# Altium PCB OCP-TimeCardMini-TI_V1.PcbDoc (part 9 of 11) (continued)
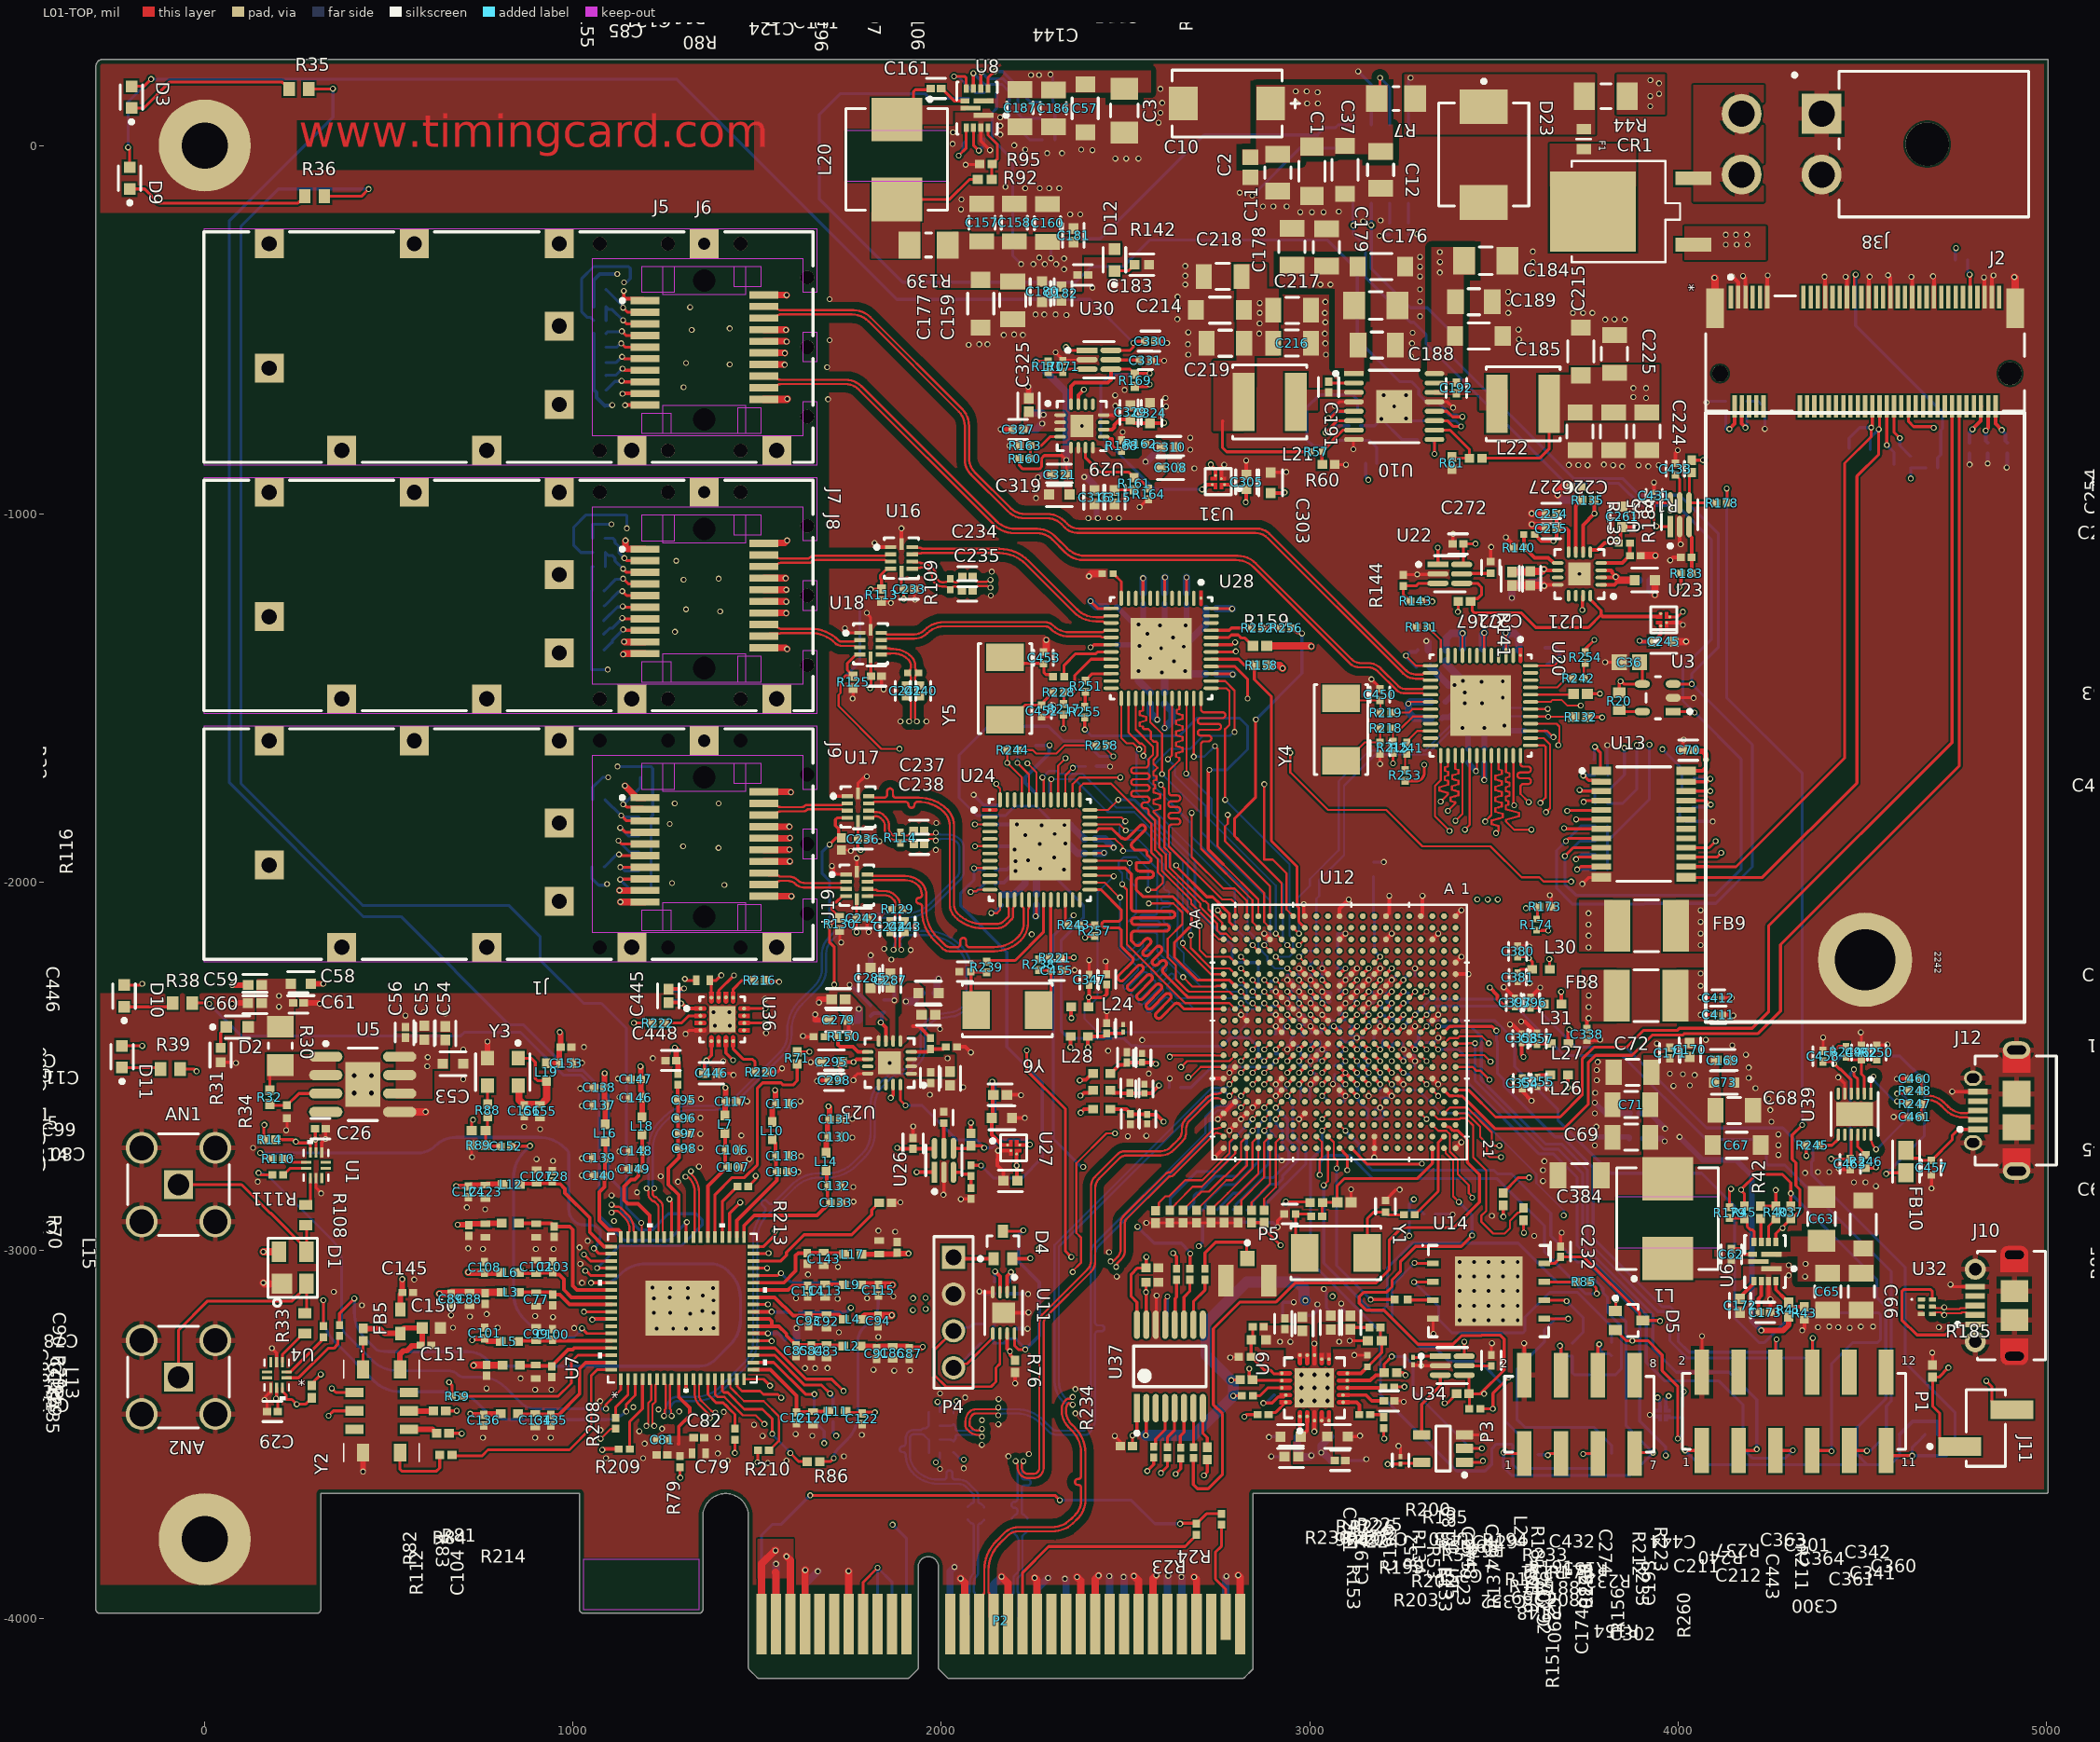
[diagram p0: L01-TOP view]
## Nets (pads, with @x,y where several pads share a name; then routed paths per layer and width w, separated by ;. In a path a pad name is that pad's centre, name@x,y a point inside that pad or via, vN(x,y) a via of type N, cw(c..) or ccw(c..) an arc to the next point about the centre after c; other vN are vias at no path point) (continued)
  L01-TOP w5: U24.26@2403.56,-2000.83 ccw(c2404.9,-1999.49) 2404.9,-2001.39 2443.18,-2001.39 2483.23,-2041.43 v1(2485.32,-2041.43)
  L01-TOP w5.8: v2(2813.5,-2328.57) U12.W9@2829.25,-2344.32
  L10-BOT w5: v1(2485.32,-2041.43) 2485.32,-2183.99 2503.46,-2202.13 2505.23,-2203.9 2531.67,-2230.33 cw(c2526.37,-2235.64) 2531.67,-2240.94 2495.31,-2277.3 ccw(c2500.61,-2282.6) 2495.31,-2287.91 ccw(c2500.61,-2282.6) 2505.91,-2287.91 2547.39,-2246.43 cw(c2552.7,-2251.73) 2558,-2246.43 cw(c2552.7,-2251.73) 2558,-2257.03 2516.52,-2298.51 ccw(c2521.82,-2303.82) 2516.52,-2309.12 ccw(c2521.82,-2303.82) 2527.13,-2309.12 2568.61,-2267.64 cw(c2573.91,-2272.94) 2579.21,-2267.64 cw(c2573.91,-2272.94) 2579.21,-2278.25 2537.73,-2319.73 ccw(c2543.04,-2325.03) 2537.73,-2330.33 ccw(c2543.04,-2325.03) 2548.34,-2330.33 2589.82,-2288.85 cw(c2595.12,-2294.16) 2600.43,-2288.85 cw(c2595.12,-2294.16) 2600.43,-2299.46 2558.95,-2340.94 ccw(c2564.25,-2346.24) 2558.95,-2351.55 ccw(c2564.25,-2346.24) 2569.55,-2351.55 2605.91,-2315.18 cw(c2611.22,-2320.49) 2616.52,-2315.18 2618.29,-2316.95 2629.91,-2328.57 2670.22,-2328.57 2687.85,-2346.2 2801.79,-2346.2 2805.32,-2342.67 2805.32,-2339.73 2813.5,-2331.55 v2(2813.5,-2328.57)
PRG1_RGMII1_TD3: U12.AA9 U24.25 | length 1276.3
  L01-TOP w8: U24.25@2403.56,-2020.52 2433.69,-2020.52 2488.37,-2075.19 2488.45,-2075.27 2488.45,-2097.19 cw(c2479.45,-2097.19) 2479.45,-2106.19 2444.49,-2106.19 ccw(c2444.49,-2115.19) 2444.49,-2124.2 2479.45,-2124.2 cw(c2479.45,-2133.2) 2488.45,-2133.2 2488.45,-2173.92 2488.45,-2174.14 2493.16,-2178.85 2518.34,-2204.03 cw(c2511.98,-2210.39) 2518.34,-2216.76 2482.01,-2253.09 ccw(c2488.38,-2259.45) 2482.01,-2265.82 ccw(c2488.38,-2259.45) 2494.74,-2265.82 2532.95,-2227.61 cw(c2539.31,-2233.98) 2545.68,-2227.61 cw(c2539.31,-2233.98) 2545.68,-2240.34 2507.47,-2278.55 ccw(c2513.84,-2284.91) 2507.47,-2291.28 ccw(c2513.84,-2284.91) 2520.2,-2291.28 2557.62,-2253.86 cw(c2563.98,-2260.23) 2570.35,-2253.86 cw(c2563.98,-2260.23) 2570.35,-2266.59 2532.93,-2304.01 ccw(c2539.3,-2310.37) 2532.93,-2316.74 ccw(c2539.3,-2310.37) 2545.66,-2316.74 2583.08,-2279.32 cw(c2589.44,-2285.69) 2595.81,-2279.32 cw(c2589.44,-2285.69) 2595.81,-2292.05 2558.39,-2329.47 ccw(c2564.76,-2335.83) 2558.39,-2342.2 ccw(c2564.76,-2335.83) 2571.12,-2342.2 2608.54,-2304.78 cw(c2614.9,-2311.15) 2621.27,-2304.78 cw(c2614.9,-2311.15) 2621.27,-2317.51 2583.85,-2354.93 ccw(c2590.22,-2361.29) 2583.85,-2367.66 ccw(c2590.22,-2361.29) 2596.58,-2367.66 2632.91,-2331.33 cw(c2639.28,-2337.69) 2645.64,-2331.33 2648.47,-2334.16 2658.64,-2344.32 U12.AA9@2766.26,-2344.32
PRG1_RGMII1_TX_CTL: U12.Y9 U24.37 | length 1254.4
  L01-TOP w5.8: U24.37@2375.98,-1776.4 2375.98,-1741.47 2385.17,-1732.28 2460.96,-1732.28 2569.83,-1841.14 2569.83,-1919.46 2587.8,-1937.43 2587.8,-1973.67 2601.27,-1987.14 2601.27,-2001.89 2582.48,-2020.68 v1(2561.52,-2020.68) ; v1(2491.13,-2005.44) 2491.13,-2007.71 2503.85,-2020.43 2503.85,-2168.95 2582.82,-2247.92 2582.82,-2249.5 2661.89,-2328.57 2782.01,-2328.57 U12.Y9@2797.75,-2344.32
  L10-BOT w5.8: v1(2491.13,-2005.44) 2491.13,-1975.78 2481.52,-1966.17 2481.52,-1945.58 2494.93,-1932.17 2529.48,-1932.17 2561.52,-1964.22 v1(2561.52,-2020.68)
PRG1_RGMII1_TXC: U12.V9 U24.29 | length 1139.2
  L01-TOP w5: U24.29@2403.56,-1941.78 2501.99,-1941.78 2508.29,-1948.07 v1(2511.26,-1948.07)
  L01-TOP w5.8: v2(2845,-2328.57) U12.V9@2860.75,-2344.32
  L10-BOT w5: v1(2511.26,-1948.07) 2511.26,-1966.07 2503.85,-1973.48 2503.85,-1988.51 2529.48,-2014.13 2529.48,-2083.91 2503.85,-2109.54 2503.85,-2159.06 2503.85,-2178.14 2508.15,-2182.43 ccw(c2513.45,-2177.13) 2518.75,-2182.43 2535.36,-2165.82 cw(c2540.66,-2171.13) 2545.96,-2165.82 cw(c2540.66,-2171.13) 2545.96,-2176.43 2524.24,-2198.15 ccw(c2529.54,-2203.46) 2524.24,-2208.76 ccw(c2529.54,-2203.46) 2534.85,-2208.76 2556.57,-2187.04 cw(c2561.87,-2192.34) 2567.18,-2187.04 cw(c2561.87,-2192.34) 2567.18,-2197.64 2546.5,-2218.32 ccw(c2551.8,-2223.62) 2546.5,-2228.93 ccw(c2551.8,-2223.62) 2557.11,-2228.93 2577.78,-2208.25 cw(c2583.09,-2213.55) 2588.39,-2208.25 cw(c2583.09,-2213.55) 2588.39,-2218.86 2571.78,-2235.46 ccw(c2577.09,-2240.77) 2571.78,-2246.07 ccw(c2577.09,-2240.77) 2582.39,-2246.07 2599,-2229.46 cw(c2604.3,-2234.77) 2609.6,-2229.46 cw(c2604.3,-2234.77) 2609.6,-2240.07 2593,-2256.68 ccw(c2598.3,-2261.98) 2593,-2267.28 ccw(c2598.3,-2261.98) 2603.6,-2267.28 2620.21,-2250.68 cw(c2625.51,-2255.98) 2630.82,-2250.68 cw(c2625.51,-2255.98) 2630.82,-2261.28 2614.21,-2277.89 ccw(c2619.51,-2283.19) 2614.21,-2288.5 2624.82,-2299.1 2626.59,-2300.87 2641.04,-2315.32 2785.18,-2315.32 2786.43,-2314.07 2819.51,-2314.07 2828,-2322.57 2828,-2324.85 2831.73,-2328.57 v2(2845,-2328.57)
PRSNT: P2.A1 R23.1 R24.1 | length 1562.1
  L01-TOP w8: v1(1643.92,-3664.93) 2308.21,-3664.93 v1(2321.58,-3678.3) ; v1(2648.5,-3741.99) 2649.91,-3740.58 2692.82,-3740.58 R23.1@2694.23,-3739.17 ; R23.1@2692.54,-3742.31 2692.54,-3741.33 2698.38,-3735.49 2699.36,-3735.49 2719.89,-3714.96 R24.1@2760.88,-3714.96
  L10-BOT w8: P2.A1@1511.81,-3994.77 1511.81,-3773.25 1540.86,-3744.2 1564.66,-3744.2 v1(1643.92,-3664.93) ; v1(2321.58,-3678.3) 2516.07,-3678.3 2579.76,-3741.99 v1(2648.5,-3741.99)
RESET_REQZ: U12.E18
RESETSTATZ: U12.F16
SCL: R124.1 U12.A18 U13.22 | length 1753.3
  L01-TOP w5.8: U12.A18@3396.18,-2627.79 3426.91,-2627.79 3463.12,-2663.99 3463.12,-2691.65 3481.45,-2709.98 3481.45,-2739.4 3488.66,-2746.61 v2(3519.42,-2746.61)
  L01-TOP w8: U13.22@4022.21,-1752.95 4087.45,-1752.95 v1(4087.7,-1752.7)
  L08-SIG w5.58: v2(3519.42,-2746.61) 3540.54,-2767.73 3553.02,-2767.73 3595.66,-2725.09 3673.9,-2725.09 3709.31,-2760.5 3781.87,-2760.5 3816.66,-2725.71 3816.66,-2413.02 3851.45,-2378.23 3851.45,-1988.95 v1(4087.7,-1752.7)
  L10-BOT w8: R124.1@4044.46,-1754 4045.11,-1753.35 4087.05,-1753.35 v1(4087.7,-1752.7)
SDA: R123.1 U12.B18 U13.23 | length 1779.2
  L01-TOP w5.8: U12.B18@3364.68,-2627.79 3380.43,-2612.04 3427.15,-2612.04 3494.5,-2679.39 3494.5,-2712.15 3497.9,-2715.55 v2(3515.18,-2715.55)
  L01-TOP w8: U13.23@4022.21,-1727.36 4079.83,-1727.36 v1(4087.71,-1719.49)
  L08-SIG w5.58: v2(3515.18,-2715.55) 3536.28,-2736.65 3560.9,-2736.65 3586.61,-2710.94 3682.15,-2710.94 3715.55,-2744.34 3774.26,-2744.34 3806.08,-2712.52 3806.08,-2405.5 3833.35,-2378.23 3833.35,-1973.84 v1(4087.71,-1719.49)
  L10-BOT w8: R123.1@4044.46,-1716.9 4045.75,-1718.2 4086.42,-1718.2 v1(4087.71,-1719.49)
SERDES0_REFCLK0_N: R207.2 R259.2 U12.W16 | length 1690.8
  L01-TOP w6: v1(2110.37,-3505.63) cw(c2110.37,-3499.09) 2105.75,-3503.71 ccw(c2098.89,-3510.57) 2098.89,-3500.87 2098.82,-3500.87 cw(c2098.82,-3468.08) 2075.63,-3491.26 2068.84,-3484.48 cw(c2076.9,-3476.42) 2065.5,-3476.42 2065.5,-3464.47 cw(c2102.85,-3464.47) 2076.44,-3438.06 2076.57,-3437.94 cw(c2092.63,-3454) 2092.63,-3431.28 2148.37,-3431.28 ccw(c2148.37,-3425.28) 2152.6,-3429.54 2153.49,-3428.65 ccw(c2151.37,-3426.53) v1(2154.37,-3426.53) ; v2(2813.5,-2580.54) U12.W16@2829.24,-2564.79
  L10-BOT w6: R259.2@1995.08,-3513.53 2021.12,-3513.53 cw(c2021.12,-3529.84) R207.2@2032.65,-3518.31 2035.47,-3515.49 ccw(c2028.46,-3508.49) 2038.37,-3508.49 2038.37,-3506.87 cw(c2044.37,-3506.87) 2040.13,-3502.63 cw(c2044.37,-3506.87) 2044.37,-3500.87 2098.89,-3500.87 cw(c2098.89,-3517.11) v1(2110.37,-3505.63) ; v1(2154.37,-3426.53) cw(c2154.37,-3433.06) 2158.98,-3428.43 2159.45,-3428.91 ccw(c2165.19,-3423.17) 2165.19,-3431.28 2204.55,-3431.28 cw(c2204.55,-3534.43) 2277.48,-3461.49 ; 2277.48,-3461.49 2299.21,-3483.22 ccw(c2314.08,-3468.35) 2314.08,-3489.38 2387.27,-3489.38 2401.13,-3475.52 2401.97,-3474.68 ccw(c2358.75,-3456) 2405.83,-3455.98 2405.83,-3455.92 2405.83,-3008.97 cw(c2445.3,-3008.97) 2417.38,-2981.07 ; 2417.39,-2981.06 2716.99,-2681.46 2716.99,-2636.9 2746.13,-2607.77 2776,-2607.77 2793.22,-2590.55 2803.5,-2590.55 v2(2813.5,-2580.54)
SERDES0_REFCLK0_P: R73.2 R206.2 U12.W17 | length 1692.9
  L01-TOP w6: v1(2110.37,-3484.63) ccw(c2110.37,-3491.16) 2105.75,-3486.54 cw(c2098.89,-3479.68) 2098.89,-3489.38 cw(c2098.89,-3467.9) 2083.7,-3483.09 2076.99,-3476.38 2076.99,-3464.57 cw(c2103.09,-3464.57) 2084.63,-3446.12 cw(c2092.71,-3454.19) 2092.71,-3442.77 2148.37,-3442.77 cw(c2148.37,-3448.77) v1@2152.6,-3444.52 ; v1@2152.61,-3444.53 2153.49,-3445.41 cw(c2151.37,-3447.53) v1(2154.37,-3447.53) ; v2(2813.5,-2612.04) U12.W17@2829.25,-2596.29
  L10-BOT w6: R73.2@1995.08,-3476.38 2021.95,-3476.38 ccw(c2021.95,-3460.65) R206.2@2033.06,-3471.77 2035.59,-3474.3 cw(c2028.29,-3481.59) 2038.61,-3481.59 2038.61,-3483.38 ccw(c2044.61,-3483.38) 2040.37,-3487.62 ccw(c2044.61,-3483.38) 2044.61,-3489.38 2098.89,-3489.38 ccw(c2098.89,-3473.15) v1(2110.37,-3484.63) ; v1(2154.37,-3447.53) ccw(c2154.37,-3440.99) 2158.98,-3445.62 2159.45,-3445.15 cw(c2165.19,-3450.89) 2165.19,-3442.77 2204.55,-3442.77 cw(c2204.55,-3534.43) 2269.38,-3469.64 2291.16,-3491.41 ccw(c2313.99,-3468.58) 2313.99,-3500.87 2392.02,-3500.87 ccw(c2392.02,-3489.56) 2400.02,-3497.56 2400.17,-3497.41 ccw(c2358.75,-3456) 2417.32,-3456 2417.32,-3246.44 2417.32,-3227.44 cw(c2425.32,-3227.44) 2425.32,-3219.44 2434.76,-3219.44 ccw(c2434.76,-3211.44) 2434.76,-3203.44 2425.32,-3203.44 cw(c2425.32,-3195.44) 2417.32,-3195.44 2417.32,-3108.68 2417.32,-3013.73 cw(c2456.79,-3013.73) 2428.88,-2985.82 2728.48,-2686.22 2728.48,-2641.66 2750.88,-2619.26 2780.76,-2619.26 2797.98,-2602.04 2803.5,-2602.04 v2(2813.5,-2612.04)
SERDES0_REXT: R72.2 U12.T13 | length 310.1
  L01-TOP w5.8: v2(2907.99,-2486.05) U12.T13@2923.74,-2470.31
  L10-BOT w6.89: 2806.37,-2501.55 2883.61,-2501.55
  L10-BOT w8: R72.2@2649.85,-2557.63 2677.88,-2557.63 2733.96,-2501.55 2735.68,-2501.55 2806.37,-2501.55 ; 2883.61,-2501.55 2892.5,-2501.55 v2(2907.99,-2486.05)
SFP0_PHY_1G_N: J6.12 U20.17 | length 2144.3
  L01-TOP w6: J6.12@1517.72,-657.48 1540.17,-657.48 ccw(c1540.17,-640.4) J6.12@1552.23,-652.49 ; J6.12@1552.26,-652.46 cw(c1564.32,-664.55) 1564.32,-647.48 1739.6,-647.48 cw(c1739.6,-698.33) 1775.56,-662.37 2142.86,-1029.67 ; 2142.89,-1029.7 ccw(c2197.39,-975.14) 2197.39,-1052.26 2259.88,-1052.26 cw(c2259.88,-1109.81) 2300.57,-1069.11 2336.67,-1105.21 ; 2336.7,-1105.24 ccw(c2385.54,-1056.34) 2385.54,-1125.45 2799.78,-1125.45 cw(c2799.78,-1195.02) 2848.96,-1145.82 3109.55,-1406.41 ccw(c3134.99,-1380.97) 3134.99,-1416.95 3159.27,-1416.95 cw(c3159.27,-1452.58) 3184.46,-1427.39 3236.18,-1479.11 ccw(c3254.95,-1460.34) 3254.95,-1486.88 3306.97,-1486.88 3311.06,-1490.98 U20.17@3328.09,-1490.98
SFP0_PHY_1G_P: J6.13 U20.16 | length 2142.9
  L01-TOP w6: J6.13@1517.72,-625.98 1540.17,-625.98 cw(c1540.17,-643.06) 1552.25,-630.99 ccw(c1564.32,-618.91) 1564.32,-635.99 1739.76,-635.99 cw(c1739.76,-697.96) 1783.58,-654.14 2147.97,-1018.53 ; 2147.99,-1018.55 ccw(c2201.66,-964.84) 2201.66,-1040.77 2260.04,-1040.77 cw(c2260.04,-1109.41) 2308.58,-1060.87 2341.43,-1093.72 ; 2341.44,-1093.73 ccw(c2390.3,-1044.85) 2390.3,-1113.96 2804.54,-1113.96 cw(c2804.54,-1183.53) 2853.72,-1134.33 3114.31,-1394.92 ; 3114.32,-1394.93 ccw(c3139.75,-1369.48) 3139.75,-1405.46 3159.43,-1405.46 cw(c3159.43,-1452.2) 3192.46,-1419.13 3240.94,-1467.62 ; 3240.96,-1467.63 ccw(c3259.71,-1448.85) 3259.71,-1475.39 3306.97,-1475.39 3311.06,-1471.29 U20.16@3328.09,-1471.29
SFP0_PHY_25M: R215.2 R218.2 U20.20 | length 158.6
  L01-TOP w5.8: R215.2@3226.22,-1619.17 3226.22,-1587.16 3221.56,-1582.5 3247.9,-1582.5 3280.36,-1550.03 U20.20@3328.09,-1550.03
SFP0_PHY_LED0: U20.47
SFP0_PHY_LED1: U20.46
SFP0_PHY_SYNCE_CLK: R208.1 U20.40 | length 4660.4
  L01-TOP w5.8: v1(1074.84,-3511.36) 1102.08,-3484.12 R208.1@1115.86,-3484.12 ; U20.40@3599.79,-1569.72 3670.36,-1569.72 3677.91,-1577.26 3677.91,-1612.94 3677.13,-1613.73 3677.13,-1626.17 v1(3675.17,-1628.12)
  L08-SIG w5.58: v1(1074.84,-3511.36) 1059.09,-3527.11 ccw(c1083.16,-3551.17) 1049.13,-3551.17 ccw(c1091.97,-3551.17) 1061.67,-3581.47 1073.51,-3593.31 ccw(c1090.42,-3576.39) 1090.42,-3600.31 1598.26,-3600.31 cw(c1598.26,-3700.31) 1668.97,-3629.6 1673.23,-3633.86 ccw(c1736.61,-3570.48) 1736.61,-3660.11 2160.41,-3660.11 ccw(c2160.41,-3560.11) 2231.12,-3630.82 2264.85,-3597.09 ccw(c2204.08,-3536.32) 2290.03,-3536.32 2290.03,-2117.85 cw(c2390.03,-2117.85) 2319.32,-2047.14 2375.62,-1990.84 ccw(c2304.9,-1920.13) 2404.9,-1920.13 2404.9,-1901.71 cw(c2423.71,-1901.71) 2410.41,-1888.41 2490.46,-1808.37 cw(c2559.75,-1877.66) 2559.75,-1779.67 2648.02,-1779.67 ccw(c2648.02,-1679.67) 2718.73,-1750.38 2819.48,-1649.63 cw(c2890.19,-1720.34) 2890.19,-1620.34 3552.6,-1620.34 cw(c3552.6,-1715.42) 3619.83,-1648.19 ccw(c3646.77,-1621.25) 3646.77,-1659.34 3675.17,-1630.94 v1(3675.17,-1628.12)
SFP0_PHY_XO: R219.2 U20.19 | length 110.5
  L01-TOP w5.8: R219.2@3221.43,-1539.67 3269.79,-1539.67 3279.11,-1530.35 U20.19@3328.09,-1530.35
SFP0_SEL: U12.W2
SFP1_FAULT: J6.2 R2.2 | length 133.3
  L01-TOP w8: v3(1135.74,-440.48) 1148.02,-452.76 J6.2@1194.88,-452.76
  L10-BOT w8: R2.2@1089.49,-391.18 1090.48,-391.18 1134.21,-434.91 1134.21,-438.95 v3(1135.74,-440.48)
SFP1_LOS: J6.8 R8.2 | length 116.7
  L01-TOP w8: v3(1131.57,-638.88) 1134.42,-641.73 J6.8@1194.88,-641.73
  L10-BOT w8: R8.2@1089.57,-663.58 1090.55,-663.58 1113.72,-640.41 1130.04,-640.41 v3(1131.57,-638.88)
SFP1_MOD_ABS: J6.6 R5.2 | length 114
  L01-TOP w8: v3(1132.85,-573.39) 1138.2,-578.74 J6.6@1194.88,-578.74
  L10-BOT w8: R5.2@1089.57,-589.02 1117.23,-589.02 v3(1132.85,-573.39)
SFP1_PHY_1G_N: U18.8 U28.17 | length 642
  L01-TOP w6: U18.8@1836.92,-1342.86 1844.11,-1342.86 ccw(c1844.11,-1335.87) 1849.06,-1340.82 cw(c1854,-1345.76) 1854,-1338.77 1926.57,-1338.77 ccw(c1926.57,-1289.13) 1961.67,-1324.23 1961.76,-1324.14 cw(c2006.56,-1368.94) 2006.56,-1305.58 2281.9,-1305.58 cw(c2281.9,-1324.01) 2294.93,-1310.98 ; 2294.96,-1311.01 ccw(c2348.07,-1257.89) 2348.07,-1333.01 2432.24,-1333.01 ccw(c2437.17,-1328.08) 2437.17,-1335.05 2459.29,-1335.05 cw(c2459.29,-1337.28) U28.17@2460.87,-1335.7
SFP1_PHY_1G_P: U18.9 U28.16 | length 642.7
  L01-TOP w6: U18.9@1836.92,-1323.18 1844.11,-1323.18 cw(c1844.11,-1330.17) 1849.06,-1325.23 ccw(c1854,-1320.28) 1854,-1327.28 1926.44,-1327.28 ccw(c1926.44,-1288.83) 1953.63,-1316.02 1953.73,-1315.91 cw(c2006.41,-1368.6) 2006.41,-1294.09 2282.02,-1294.09 cw(c2282.02,-1323.73) 2302.98,-1302.77 2303.06,-1302.85 ccw(c2348.11,-1257.8) 2348.11,-1321.52 2434.45,-1321.52 ccw(c2434.45,-1312.13) 2441.09,-1318.77 cw(c2447.74,-1325.41) 2447.74,-1316.02 U28.16@2460.87,-1316.02
SFP1_PHY_25M: R217.2 R228.2 U28.20 | length 220.4
  L01-TOP w8: R217.2@2331.9,-1515.59 2332.49,-1515 2332.49,-1484.79 R228.2@2333.07,-1484.2 2357.18,-1484.2 2361.87,-1479.51 2361.87,-1439.08 2406.19,-1394.76 U28.20@2460.87,-1394.76
SFP1_PHY_LED0: U28.47
SFP1_PHY_LED1: U28.46
SFP1_PHY_SYNCE_CLK: R209.1 U28.40 | length 3768.2
  L01-TOP w8: U28.40@2732.57,-1414.44 2797.17,-1414.44 2831.28,-1448.55 v1(2831.28,-1501.46)
  L01-TOP w10: v1(1079.33,-3541.68) 1081.65,-3539.36 R209.1@1124.15,-3539.36
  L08-SIG w5.58: v1(1079.33,-3541.68) 1159.29,-3461.71 ccw(c1088.58,-3391) 1188.58,-3391 1188.58,-3127.83 cw(c1259.92,-3127.83) 1209.48,-3077.39 cw(c1239.26,-3107.17) 1239.26,-3065.05 1331.75,-3065.05 ccw(c1331.75,-2995.6) 1380.86,-3044.71 1533.43,-2892.14 ccw(c1462.72,-2821.43) 1562.72,-2821.43 1562.72,-2652.36 cw(c1662.72,-2652.36) 1592.01,-2581.65 1596.31,-2577.35 ccw(c1538.12,-2519.15) 1620.42,-2519.15 1620.42,-2503.96 ccw(c1532.51,-2503.96) 1594.67,-2441.8 1589.79,-2436.92 cw(c1608.53,-2418.18) 1582.03,-2418.18 1582.03,-2373.97 cw(c1682.03,-2373.97) 1611.32,-2303.26 1725.15,-2189.43 cw(c1795.86,-2260.14) 1795.86,-2160.14 1806.46,-2160.14 ccw(c1806.46,-2119.95) 1834.87,-2148.37 1850.18,-2133.05 ccw(c1825.84,-2108.72) 1860.26,-2108.72 1860.26,-1696.69 ccw(c1805.03,-1696.69) 1844.09,-1657.64 cw(c1885.74,-1615.99) 1826.84,-1615.99 1826.84,-1570.81 cw(c1888.01,-1570.81) 1844.75,-1527.56 1859.14,-1513.17 cw(c1929.85,-1583.88) 1929.85,-1483.88 2336.5,-1483.88 cw(c2336.5,-1583.88) 2407.21,-1513.17 2485.09,-1591.05 ccw(c2555.8,-1520.34) 2555.8,-1620.34 2670.98,-1620.34 ccw(c2670.98,-1520.34) 2741.69,-1591.05 v1(2831.28,-1501.46)
SFP1_PHY_XO: R229.2 U28.19 | length 173.7
  L01-TOP w8: R229.2@2333.07,-1442.22 2333.07,-1411.32 2364.61,-1379.78 2419.21,-1379.78 2423.92,-1375.07 U28.19@2460.87,-1375.07
SFP1_RATE_SELECT: J6.7 R6.2 | length 114.8
  L01-TOP w8: v3(1134.14,-605.82) 1138.56,-610.24 J6.7@1194.88,-610.24
  L10-BOT w8: R6.2@1089.49,-624 1090,-623.5 1116.46,-623.5 v3(1134.14,-605.82)
SFP1_RX_N: J8.12 U18.3 | length 273.6
  L01-TOP w6: J8.12@1517.72,-1332.11 cw(c1534.24,-1348.63) 1534.24,-1325.27 1559.88,-1325.27 ccw(c1559.88,-1319.1) 1564.24,-1323.46 1644.63,-1323.46 cw(c1644.63,-1419.27) 1712.38,-1351.52 ; 1712.39,-1351.54 ccw(c1729.09,-1334.84) 1729.09,-1358.45 1761.47,-1358.45 cw(c1761.47,-1365.45) 1766.41,-1360.5 ccw(c1771.36,-1355.55) 1771.36,-1362.55 U18.3@1778.55,-1362.55
SFP1_RX_P: J8.13 U18.2 | length 274.3
  L01-TOP w6: J8.13@1517.72,-1300.61 1536.82,-1300.61 cw(c1536.82,-1325.77) 1554.61,-1307.98 ccw(c1564.24,-1298.35) 1564.24,-1311.97 1644.73,-1311.97 cw(c1644.73,-1419.02) 1720.43,-1343.32 1720.5,-1343.4 ccw(c1729.11,-1334.79) 1729.11,-1346.96 1761.47,-1346.96 ccw(c1761.47,-1339.97) 1766.41,-1344.91 cw(c1771.36,-1349.86) 1771.36,-1342.86 U18.2@1778.55,-1342.86
SFP1_SCL: J6.5 R4.2 U13.5 | length 3558.5
  L01-TOP w8: v3(1130.93,-537.12) 1141.05,-547.24 J6.5@1194.88,-547.24 ; v1(3698.95,-1806.48) 3700.13,-1805.31 3790.73,-1805.31 U13.5@3791.9,-1804.13
  L03-SIG w5.58: v3(1130.93,-537.12) 1257.37,-537.12 1291.9,-571.65 1357.5,-571.65 1491.66,-705.81 1761.95,-705.81 2170.1,-1113.96 3277.08,-1113.96 3443.24,-1280.13 3584.25,-1280.13 3707.11,-1402.99 3707.11,-1654.08 3688.15,-1673.04 3688.15,-1794.13 3698.95,-1804.93 v1(3698.95,-1806.48)
  L10-BOT w8: R4.2@1089.57,-547.68 1118.2,-547.68 1128.76,-537.12 v3(1130.93,-537.12)
SFP1_SDA: J6.4 R3.2 U13.4 | length 3535.3
  L01-TOP w8: v3(1132.53,-504.05) 1144.23,-515.75 J6.4@1194.88,-515.75 ; v1(3743.57,-1782.07) 3745.73,-1782.07 3749.26,-1778.54 U13.4@3791.9,-1778.54
  L03-SIG w5.58: v3(1132.53,-504.05) 1276.83,-504.05 1333.25,-560.47 1513.28,-560.47 1588.64,-635.83 1722.44,-635.83 2176.46,-1089.84 3277.19,-1089.84 3445.27,-1257.93 3594.7,-1257.93 3758.58,-1421.8 3758.58,-1767.06 v1(3743.57,-1782.07)
  L10-BOT w8: R3.2@1089.49,-510.28 1094.19,-505.58 1131,-505.58 v3(1132.53,-504.05)
SFP1_SEL: R113.2 R125.2 U12.Y2 U16.4 U18.4 | length 2150.2
  L01-TOP w5.58: v3(1726.32,-1453.69) 1726.32,-1486.71 1721.14,-1491.89 1721.14,-1522.09 1837.04,-1637.99 v1(1886.32,-1637.99)
  L01-TOP w7.25: 2782.05,-2099.36 2782.05,-2085.6
  L01-TOP w8: v3(1726.32,-1453.69) 1739.6,-1440.41 R125.2@1760.15,-1440.41 1760.15,-1439.43 1744.55,-1423.82 1744.55,-1406.15 1768.46,-1382.23 U18.4@1778.55,-1382.23 ; v1(1808.07,-1205.13) 1809.35,-1203.86 R113.2@1837.52,-1203.86 1837.52,-1179.06 1833.99,-1175.54 1833.99,-1167.46 1852.22,-1149.23 U16.4@1862.3,-1149.23 ; v1(2637.59,-1954.7) 2639.12,-1956.23 2639.12,-1958.47 2720.71,-2040.06 2736.6,-2040.06 2758.39,-2061.85 2766.51,-2069.98 2766.51,-2070.06 2782.05,-2085.6 ; 2782.05,-2099.36 2782.05,-2108.23 U12.Y2@2797.68,-2123.85
  L03-SIG w5.58: v1(1886.32,-1637.99) 1945.29,-1637.99 2025.88,-1557.39 2222.8,-1557.39 2241.08,-1539.11 2424.64,-1539.11 2488.45,-1602.93 2537.19,-1602.93 2575.89,-1641.63 2575.89,-1772.96 2637.59,-1834.65 v1(2637.59,-1954.7)
  L10-BOT w8: v3(1726.32,-1453.69) 1778.99,-1401.02 1778.99,-1234.22 v1(1808.07,-1205.13)
SFP1_TX_N: J8.19 U16.2 | length 350.4
  L01-TOP w6: J8.19@1517.72,-1111.64 1540.17,-1111.64 cw(c1540.17,-1128.71) 1552.25,-1116.64 ccw(c1564.32,-1104.56) 1564.32,-1121.64 1635.17,-1121.64 ccw(c1635.17,-1108.53) 1644.43,-1117.8 cw(c1653.7,-1127.07) 1653.7,-1113.96 1845.22,-1113.96 ccw(c1845.22,-1106.97) 1850.17,-1111.91 cw(c1855.11,-1116.86) 1855.11,-1109.86 U16.2@1862.3,-1109.86
SFP1_TX_P: J8.18 U16.3 | length 350.4
  L01-TOP w6: J8.18@1517.72,-1143.13 1540.17,-1143.13 ccw(c1540.17,-1126.06) 1552.25,-1138.13 cw(c1564.32,-1150.21) 1564.32,-1133.13 1639.93,-1133.13 ccw(c1639.93,-1120.02) 1649.19,-1129.29 cw(c1658.46,-1138.56) 1658.46,-1125.45 1845.22,-1125.45 cw(c1845.22,-1132.45) 1850.17,-1127.5 ccw(c1855.11,-1122.55) 1855.11,-1129.55 U16.3@1862.3,-1129.55
SFP1_TXDISABLE: J6.3 R9.1 R165.2 | length 162
  L01-TOP w8: v3(1135.74,-474.6) 1145.39,-484.25 J6.3@1194.88,-484.25
  L10-BOT w8: R9.1@1089.57,-474.6 1089.49,-474.53 R165.2@1089.49,-437.44 1097.3,-445.25 1106.39,-445.25 v3(1135.74,-474.6)
SFP1_VCCR: C8.1 C9.2 C13.1 FB1.2 J6.15 | length 57.6
  L01-TOP w18: J6.15@1517.72,-562.99 1574.72,-562.99 v3(1575.13,-563.4)
SFP1_VCCT: C17.1 C18.2 C21.1 FB2.2 J6.16 | length 62.4
  L01-TOP w18: J6.16@1517.72,-531.5 1578.93,-531.5 v3(1579.74,-532.3)
SFP2_FAULT: J8.2 R10.2 | length 147
  L01-TOP w8: v3(1139.13,-1120.3) 1146.21,-1127.38 J8.2@1194.88,-1127.38
  L10-BOT w8: R10.2@1086.5,-1066.08 1107.52,-1066.08 1113.72,-1072.27 1113.72,-1078 1124.92,-1089.2 1124.92,-1106.09 v3(1139.13,-1120.3)
SFP2_LOS: J8.8 R17.2 | length 138.4
  L01-TOP w8: v3(1136.26,-1313.88) 1138.74,-1316.36 J8.8@1194.88,-1316.36
  L10-BOT w8: R17.2@1083.63,-1369.51 1084.62,-1369.51 1105.11,-1349.02 1106.39,-1349.02 1106.39,-1343.76 v3(1136.26,-1313.88)
SFP2_MOD_ABS: J8.6 R13.2 | length 128.9
  L01-TOP w8: v3(1135.19,-1251.51) 1137.05,-1253.37 J8.6@1194.88,-1253.37
  L10-BOT w8: R13.2@1082.69,-1289.95 1083.67,-1289.95 1120.59,-1253.04 1133.66,-1253.04 v3(1135.19,-1251.51)
SFP2_PHY_1G_N: U19.8 U24.17 | length 691.1
  L01-TOP w6: U19.8@1799.47,-1998.7 1806.66,-1998.7 ccw(c1806.66,-1991.71) 1811.61,-1996.65 cw(c1816.55,-2001.6) 1816.55,-1994.6 1901.1,-1994.6 cw(c1901.1,-2046.1) 1937.51,-2009.69 cw(c1913.05,-2034.14) 1942.14,-2015.43 cw(c1913.05,-2034.14) 1943.87,-2018.43 1947.64,-2034.14 1947.64,-2034.43 cw(c1939.64,-2034.43) 1939.64,-2042.43 ccw(c1939.64,-2050.43) 1939.64,-2058.43 cw(c1939.64,-2066.43) 1947.64,-2066.43 1947.64,-2078.86 1948.21,-2090.12 ccw(c2059.04,-2078.86) 1948.56,-2093.12 ccw(c2059.04,-2078.86) 1980.27,-2157.63 2001.89,-2179.25 ccw(c2022.56,-2158.57) 2022.56,-2187.81 2143.3,-2187.81 ccw(c2143.3,-2085.54) 2215.61,-2157.85 2215.74,-2157.73 ccw(c2168.41,-2110.4) 2235.35,-2110.4 2235.35,-2073.98 ccw(c2230.06,-2068.69) U24.17@2237.53,-2068.69 ; U24.17@2237.53,-2068.69 2237.53,-2049.68 cw(c2239.77,-2049.68) U24.17@2238.19,-2048.1
SFP2_PHY_1G_P: U19.9 U24.16 | length 691.5
  L01-TOP w6: U19.9@1799.47,-1979.02 1806.66,-1979.02 cw(c1806.66,-1986.01) 1811.61,-1981.07 ccw(c1816.55,-1976.12) 1816.55,-1983.11 1901.26,-1983.11 cw(c1901.26,-2045.71) 1945.52,-2001.45 1945.68,-2001.61 cw(c1913.22,-2034.08) 1959.13,-2034.08 1959.13,-2078.82 ccw(c2059.13,-2078.82) 1988.42,-2149.53 2009.98,-2171.09 ccw(c2022.6,-2158.48) 2022.6,-2176.32 2040.33,-2176.32 2043.33,-2176.32 ccw(c2043.33,-2168.32) 2051.33,-2168.32 2051.33,-2159.5 cw(c2059.33,-2159.5) 2067.33,-2159.5 2067.33,-2168.32 ccw(c2075.33,-2168.32) 2075.33,-2176.32 2140.93,-2176.32 2143.25,-2176.32 ccw(c2143.25,-2085.43) 2207.52,-2149.7 ccw(c2168.09,-2110.26) 2223.86,-2110.26 2223.86,-2073.98 ccw(c2215.4,-2073.98) 2221.38,-2068 cw(c2228.32,-2061.05) 2218.5,-2061.05 U24.16@2218.5,-2048.1
SFP2_PHY_25M: R221.2 R238.2 U24.20 | length 189.9
  L01-TOP w8: R238.2@2263.78,-2209.25 2265.82,-2207.21 2291.28,-2207.21 R221.2@2293.32,-2205.17 2296.97,-2201.52 2296.97,-2048.37 U24.20@2297.24,-2048.1
SFP2_PHY_LED0: U24.47
SFP2_PHY_LED1: U24.46
SFP2_PHY_SYNCE_CLK: R210.1 U24.40 | length 3120.3
  L01-TOP w5.8: U24.40@2316.93,-1776.4 2316.93,-1683.83 v1(2337.27,-1663.49)
  L01-TOP w8: v1(1500.65,-3575.6) 1501.56,-3574.69 1501.56,-3543.73 R210.1@1502.46,-3542.83
  L08-SIG w5.58: v1(1500.65,-3575.6) 1532.07,-3544.18 cw(c1570.72,-3582.82) 1570.72,-3528.17 1604.55,-3528.17 cw(c1604.55,-3571.06) 1634.88,-3540.73 1681.57,-3587.43 ccw(c1752.28,-3516.72) 1752.28,-3616.72 2073.4,-3616.72 ccw(c2073.4,-3536.78) 2129.92,-3593.3 ccw(c2068.88,-3532.27) 2155.2,-3532.27 2155.2,-3524.83 cw(c2182.36,-3524.83) 2163.16,-3505.63 2211.97,-3456.81 ccw(c2141.26,-3386.1) 2241.26,-3386.1 2241.26,-3372.6 ccw(c2181.15,-3372.6) 2223.66,-3330.1 2198.25,-3304.69 ccw(c2181.46,-3321.47) 2181.46,-3297.73 cw(c2181.46,-3260.2) 2154.92,-3286.74 2109.6,-3241.42 cw(c2180.31,-3170.71) 2080.31,-3170.71 2080.31,-2849.51 ccw(c1996.73,-2849.51) 2055.83,-2790.41 2036.13,-2770.71 cw(c2106.84,-2700) 2006.84,-2700 2006.84,-2606.23 cw(c2063.43,-2606.23) 2023.42,-2566.22 ccw(c1953.63,-2496.44) 2052.32,-2496.44 2052.32,-1850.85 cw(c2075.29,-1850.85) 2059.05,-1834.61 2067.48,-1826.18 cw(c2138.19,-1896.89) 2138.19,-1796.89 2231.49,-1796.89 ccw(c2231.49,-1696.89) 2302.2,-1767.6 2316.93,-1752.87 ccw(c2267.83,-1703.77) 2337.27,-1703.77 v1(2337.27,-1663.49)
SFP2_PHY_XO: R239.2 U24.19 | length 275.4
  L01-TOP w8: R239.2@2122.82,-2216 2126.12,-2212.7 2200.2,-2212.7 2277.56,-2135.34 U24.19@2277.56,-2048.1
SFP2_RATE_SELECT: J8.7 R16.2 | length 130.8
  L01-TOP w8: v3(1133.76,-1283.05) 1135.57,-1284.86 J8.7@1194.88,-1284.86
  L10-BOT w8: R16.2@1082.69,-1326.2 1083.67,-1326.2 1099.11,-1310.77 1106.04,-1310.77 v3(1133.76,-1283.05)
SFP2_RX_N: J9.12 U19.3 | length 232
  L01-TOP w6: J9.12@1517.72,-2006.74 1536.91,-2006.74 ccw(c1536.91,-1981.78) 1554.55,-1999.43 cw(c1561.81,-2006.69) 1561.81,-1996.42 1582.64,-1996.42 cw(c1582.64,-2026.92) 1604.21,-2005.35 ccw(c1625.78,-1983.79) 1625.78,-2014.29 1724.02,-2014.29 cw(c1724.02,-2021.28) 1728.96,-2016.34 ccw(c1733.91,-2011.39) 1733.91,-2018.39 U19.3@1741.1,-2018.39
SFP2_RX_P: J9.13 U19.2 | length 231.8
  L01-TOP w6: J9.13@1517.72,-1975.24 ccw(c1534.24,-1958.72) 1534.24,-1982.08 1554.93,-1982.08 cw(c1554.93,-1991.81) 1561.81,-1984.93 1587.4,-1984.93 cw(c1587.4,-2015.43) 1608.97,-1993.87 ccw(c1630.53,-1972.3) 1630.53,-2002.8 1724.02,-2002.8 ccw(c1724.02,-1995.8) 1728.96,-2000.75 cw(c1733.91,-2005.7) 1733.91,-1998.7 U19.2@1741.1,-1998.7
SFP2_SCL: J8.5 R12.2 U13.7 | length 3311
  L01-TOP w8: v3(1133.76,-1209.92) 1145.7,-1221.87 J8.5@1194.88,-1221.87 ; v1(3690.51,-1853.57) 3692.26,-1855.32 U13.7@3791.9,-1855.32
  L03-SIG w5.58: v3(1133.76,-1209.92) 1158.93,-1235.1 1519.18,-1235.1 1585.82,-1301.73 1635.44,-1301.73 1654.33,-1282.85 1749.2,-1282.85 1769.21,-1302.85 2234.7,-1302.85 2331.49,-1206.07 3219.15,-1206.07 3410.1,-1397.02 3503.66,-1397.02 3585.08,-1478.43 3585.08,-1622.64 3652.67,-1690.23 3652.67,-1789.78 3659.79,-1796.89 3659.79,-1822.84 v1(3690.51,-1853.57)
  L10-BOT w8: R12.2@1084.63,-1249.79 1085.61,-1249.79 1123.95,-1211.45 1132.23,-1211.45 v3(1133.76,-1209.92)
SFP2_SDA: J8.4 R11.2 U13.6 | length 3383.2
  L01-TOP w8: v3(1135.91,-1175.87) 1150.41,-1190.38 J8.4@1194.88,-1190.38 ; v1(3723.3,-1829.54) 3723.49,-1829.72 U13.6@3791.9,-1829.72
  L03-SIG w5.58: v3(1135.91,-1175.87) 1278.58,-1175.87 1366.33,-1088.12 1592.25,-1088.12 1673.62,-1169.49 1927.97,-1169.49 2003.92,-1245.44 2176.46,-1245.44 2284.1,-1137.8 3198.45,-1137.8 3415.02,-1354.36 3499.85,-1354.36 3595.66,-1450.17 3595.66,-1610.4 3670.37,-1685.11 3670.37,-1805.32 3694.58,-1829.54 v1(3723.3,-1829.54)
  L10-BOT w8: R11.2@1084.3,-1208.78 1085.29,-1208.78 1116.67,-1177.4 1134.38,-1177.4 v3(1135.91,-1175.87)
SFP2_SEL: R115.2 R130.2 U12.W6 U17.4 U19.4 | length 1928.7
  L01-TOP w5.8: v2(2813.5,-2234.09) U12.W6@2829.25,-2249.83
  L01-TOP w8: v3(1696.24,-1897.97) 1714.45,-1879.77 R115.2@1728.95,-1879.77 1721.14,-1871.96 1721.14,-1854.97 1712.4,-1846.23 1712.4,-1830.32 1717.09,-1825.63 U17.4@1744.55,-1825.63 ; v1(1708.87,-2278.24) 1708.87,-2175.48 1696.24,-2162.85 v3(1696.24,-2119.31) 1718.53,-2097.03 R130.2@1724.03,-2097.03 1724.03,-2096.04 1702.87,-2074.89 1702.87,-2059.06 1707.56,-2054.37 1714.71,-2054.37 1731.01,-2038.07 U19.4@1741.1,-2038.07
  L03-SIG w5.58: v1(1708.87,-2278.24) 1727.71,-2297.08 2004.88,-2297.08 2130.86,-2171.09 2399.44,-2171.09 2430.27,-2201.93 2430.27,-2233.17 2471.84,-2274.74 2717.84,-2274.74 2758.5,-2234.09 v2(2813.5,-2234.09)
  L10-BOT w8: v3(1696.24,-2119.31) 1696.24,-1996.2 1675.83,-1975.78 1675.83,-1918.39 v3(1696.24,-1897.97)
SFP2_TX_N: J9.19 U17.2 | length 232.2
  L01-TOP w6: J9.19@1517.72,-1786.26 1540.17,-1786.26 cw(c1540.17,-1803.34) 1552.25,-1791.27 ccw(c1564.32,-1779.19) 1564.32,-1796.27 1621.68,-1796.27 ccw(c1621.68,-1786.19) 1628.81,-1793.31 cw(c1635.94,-1800.44) 1635.94,-1790.36 1727.46,-1790.36 ccw(c1727.46,-1783.37) 1732.41,-1788.31 cw(c1737.35,-1793.26) 1737.35,-1786.26 U17.2@1744.55,-1786.26